# Altium PCB HardwareControllerPCB.PcbDoc (part 2 of 2)
Units mm, origin at the board's own origin, x right, y up, seen from the top; angles counter-clockwise.
Board outline 123.75 x 111.85 mm, 4 copper layers (Top Layer, Layer 1, Layer 2, Bottom Layer), stack 1.491 mm thick; 128 components, 110 nets, 624 pads, 241 vias.
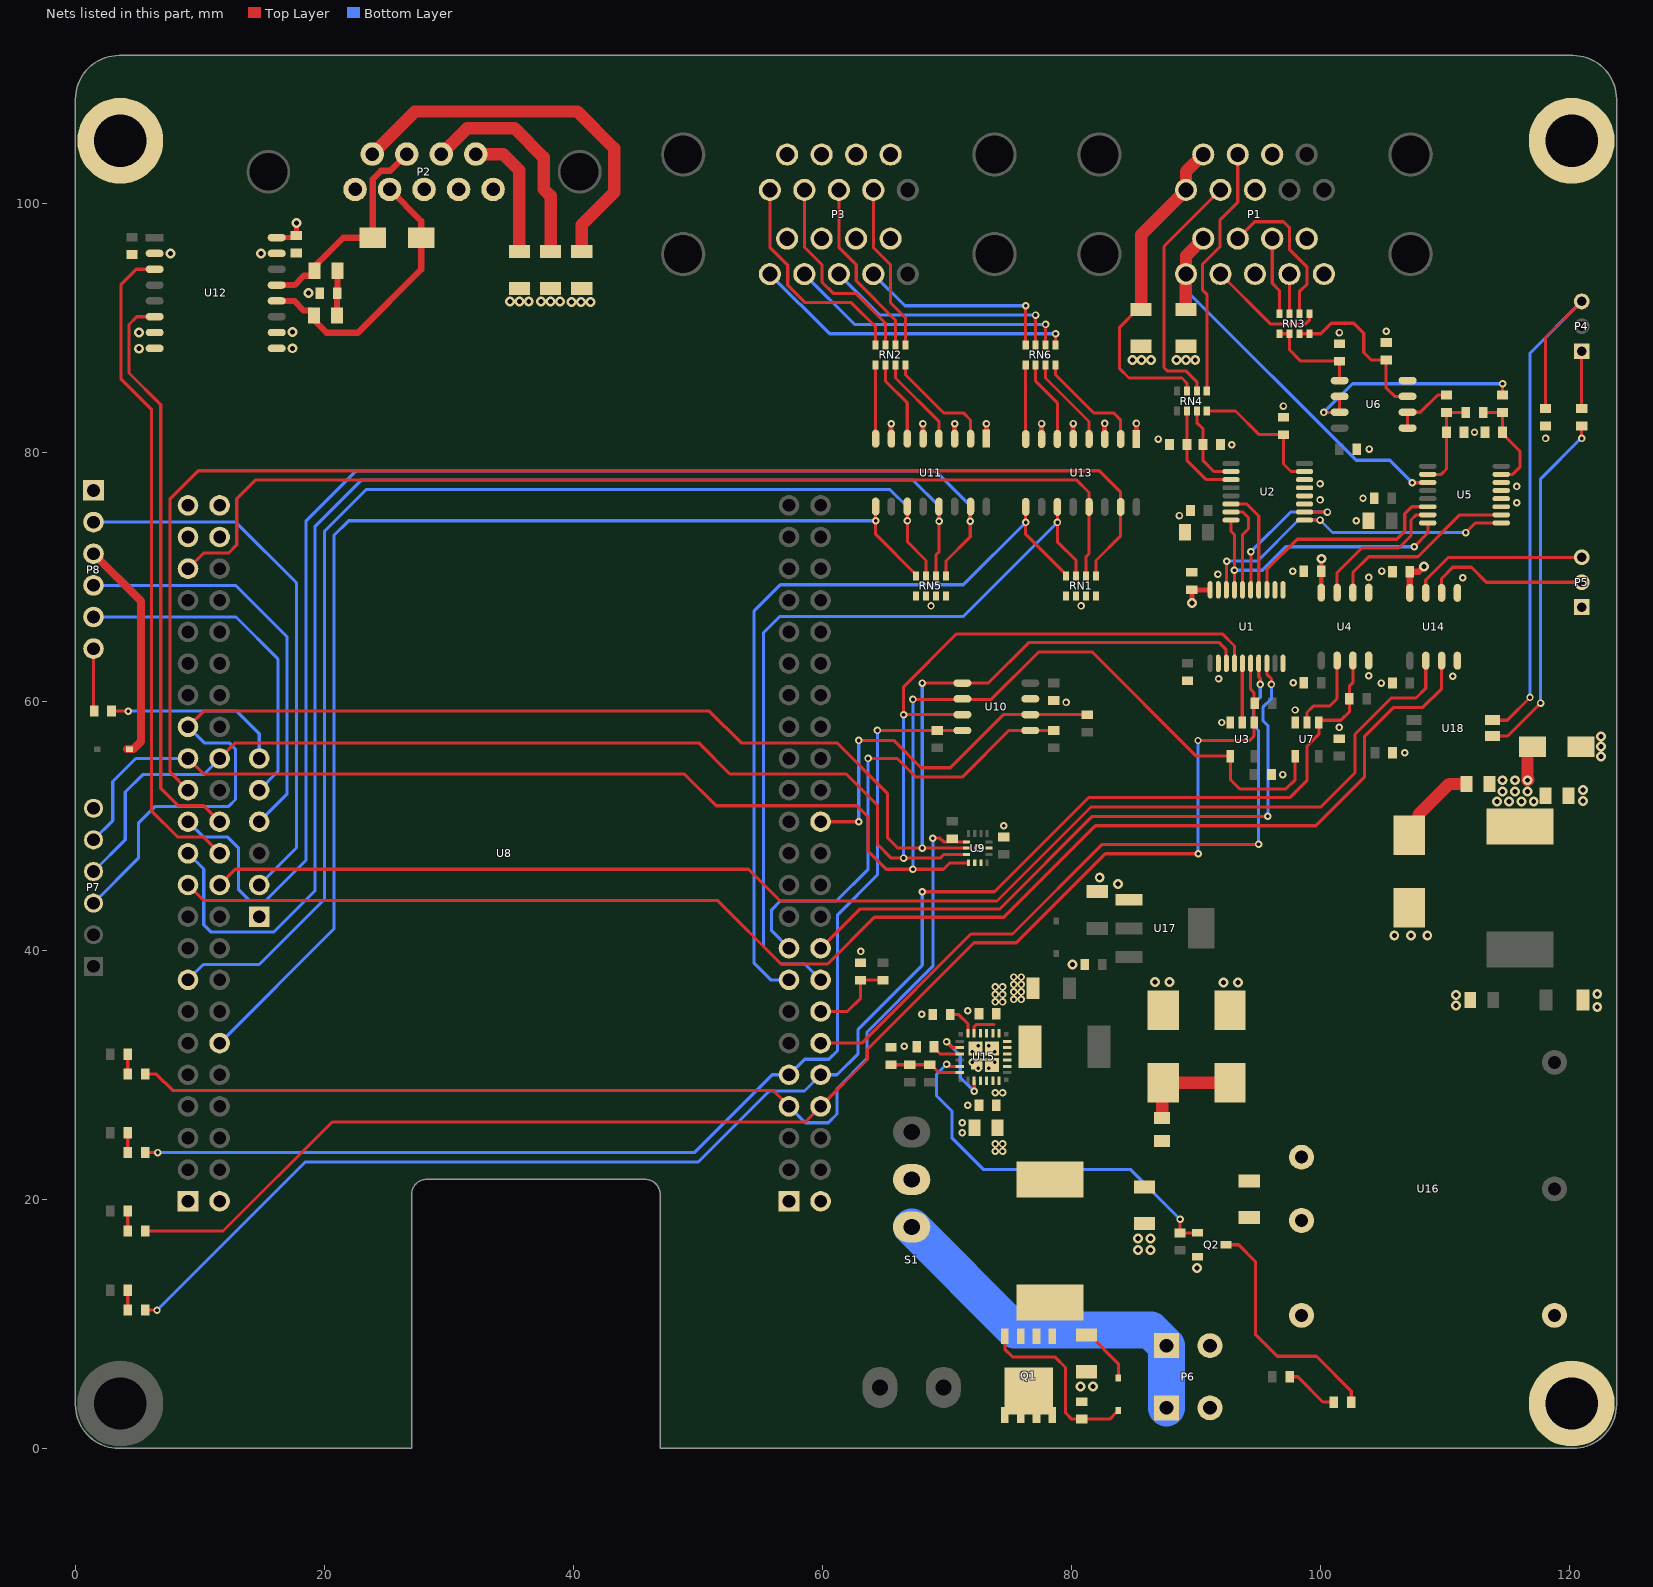
[diagram p4: the nets of this part, all layers, seen from the top]

## Via types
v1: diameter 0.6, hole 0.3, Top Layer to Bottom Layer, tented both sides, 133 vias
v2: diameter 0.8, hole 0.4, Top Layer to Bottom Layer, tented both sides, 100 vias
v3: diameter 0.61, hole 0.305, Top Layer to Bottom Layer, 8 vias

## Nets (pads, with @x,y where several pads share a name; then routed paths per layer and width w, separated by ;. In a path a pad name is that pad's centre, name@x,y a point inside that pad or via, vN(x,y) a via of type N, cw(c..) or ccw(c..) an arc to the next point about the centre after c; other vN are vias at no path point) (continued)
+5VO: C2.1 C9.2 C23.1 C25.2 C38.1 D5.2 F1.2 F2.2 F3.2 F4.2 F5.2 L3.2 R42.1 U1.20 U4.8 U11.1 U11.3 U11.5 U11.7 U12.16 U13.1 U13.3 U13.5 U13.7 U14.8 | length 23.8
  Top Layer w0.35: C2.1@89.639,68.942 C2.1@89.644,68.937
  Top Layer w0.4: U12.16@16.162,97.223 17.472,97.223 17.637,97.388 C23.1@17.737,97.388 17.75,97.4 v2(17.75,98.4) ; v1(65.505,82.275) 65.505,81.095 U11.7@65.525,81.075 ; v1(68.055,82.275) 68.055,81.085 U11.5@68.065,81.075 ; U11.3@70.605,81.075 v1(70.605,82.275) ; U11.1@73.145,81.075 73.15,81.08 73.15,82.27 v1(73.155,82.275) ; U13.7@77.58,81.05 v1(77.58,82.29) ; U13.5@80.12,81.05 v1(80.12,82.29) ; v1(82.65,82.3) 82.65,81.06 U13.3@82.66,81.05 ; U13.1@85.2,81.05 v1(85.2,82.3) ; v2@89.567,67.9 v2(89.658,67.9) 89.658,68.923 89.644,68.937 U1.20@91.117,68.937 ; U4.8@100.037,68.711 100.037,71.431 v2(100.042,71.436)
  Top Layer w0.5: C25.2@107.15,70.45 C25.2@107.15,70.4 ; U14.8@107.16,68.7 107.15,68.71 C25.2@107.15,70.4 ; v2(108.275,70.8) 107.875,70.4 C25.2@107.15,70.4
  Top Layer w1: v2@116.65,53.7 v2(116.6,53.65) 116.6,56.025 116.925,56.35 D5.2@117,56.35
  other v2: 114.15,51.95 115.1,51.95 116.1,51.95 117.1,51.95 114.6,52.75 115.6,52.75 116.6,52.75 114.6,53.65 115.6,53.65 84.869,87.4 85.619,87.4 86.369,87.4 88.419,87.4 89.169,87.4 89.919,87.4 39.85,92.05 40.6,92.05 41.35,92.05 34.9,92.075 35.65,92.075 36.4,92.075 37.4,92.075 38.15,92.075 38.9,92.075
+12: C28.1 C29.1 C30.1 C31.1 C39.1 L1.2 R35.1 U15.5 U15.6 U15.13 U15.14 U15.17 U16.1 | length 2.2
  Top Layer w0.25: U15.17@72.167,33.328 72.167,33.867 72.35,34.05 73.75,34.05
  Top Layer w1.5: U16.1@98.425,23.405 U16.1@98.45,23.38
  other v1: 73.85,23.85 74.45,23.85 73.85,24.45 74.45,24.45 73.85,28.55 74.45,28.55 73.85,35.85 74.45,35.85 73.85,36.45 74.45,36.45 73.85,37.05 74.45,37.05
ADC_1_C\S\: R3.1 R50.2 U1.6 U3.1 U8.8 | length 117.3
  Top Layer w0.25: R50.2@5.6,17.45 11.85,17.45 20.6,26.2 58.58,26.2 U8.8@59.84,27.46 63.6,31.22 63.6,32.05 72.15,40.6 75.55,40.6 82.7,47.75 v1(90.15,47.75) ; v1(90.139,56.842) 94.289,56.842 94.642,57.195 U3.1@94.642,58.287 94.642,60.688 94.367,60.964 U1.6@94.367,63.037
  Bottom Layer w0.25: v1(90.139,56.842) 90.15,56.831 v1(90.15,47.75)
ADC_1_C\S\_5V: U1.15 U2.2 | length 12.4
  Top Layer w0.25: U1.15@94.367,68.937 94.389,68.958 v1(94.389,71.992) ; U2.2@98.692,75.187 v1(100.534,75.187)
  Bottom Layer w0.25: v1(94.389,71.992) 97.584,75.187 v1(100.534,75.187)
ADC_1_D\R\D\Y\: U1.7 U8.12 | length 56.8
  Top Layer w0.25: U8.12@59.84,32.54 63.14,32.54 71.9,41.3 75.25,41.3 82.45,48.5 v1(95,48.5) ; U1.7@95.039,63.015 U1.7@95.017,63.037 95.017,61.964 95.139,61.842 v1(95.139,61.342)
  Bottom Layer w0.25: v1(95,48.5) 95,57.65 94.6,58.05 94.6,59.75 95.139,60.289 v1(95.139,61.342)
ADC_1_D\R\D\Y\_5V: U1.14 U2.14 | length 8.6
  Top Layer w0.25: U2.14@92.792,75.837 94.044,75.837 95.017,74.864 U1.14@95.017,68.937
ADC_2_C\S\: R5.1 R51.2 U4.3 U7.1 U8.10 | length 127.6
  Top Layer w0.25: R51.2@5.6,11.1 v1(6.55,11.1) ; v1(68,44.7) 73.8,44.7 81.35,52.25 97.5,52.25 98.9,53.65 98.9,56.402 99.843,57.345 U7.1@99.843,58.287 100.021,58.464 101.614,58.464 102.3,59.15 102.3,59.861 R5.1@102.067,59.861 ; R5.1@102.293,60.086 R5.1@102.293,60.186 102.293,61.195 102.577,61.48 U4.3@102.577,63.261
  Bottom Layer w0.25: v1(6.55,11.1) 18.45,23 50,23 55.7,28.7 58.54,28.7 U8.10@59.84,30 61.15,30 62.85,31.7 62.85,33.65 68,38.8 v1(68,44.7)
ADC_2_C\S\_5V: U4.6 U5.2 | length 15.5
  Top Layer w0.25: U4.6@102.577,68.711 102.577,70.327 103.85,71.6 107.8,71.6 111.161,74.961 U5.2@114.492,74.961
ADC_2_D\R\D\Y\: U1.8 U8.18 | length 53.2
  Top Layer w0.25: U8.18@59.84,40.16 62.98,43.3 74.2,43.3 81.65,50.75 v1(95.75,50.75) ; U1.8@95.668,63.036 95.668,62.163 96.039,61.792 v1(96.039,61.342)
  Bottom Layer w0.25: v1(95.75,50.75) 95.75,58.05 95.35,58.45 95.35,59.5 96.039,60.189 v1(96.039,61.342)
ADC_2_D\R\D\Y\_5V: U1.13 U5.14 | length 17.5
  Top Layer w0.25: U1.13@95.667,68.937 95.667,70.57 98.098,73 106.1,73 106.739,73.639 106.739,75.042 107.309,75.611 U5.14@108.592,75.611
AGND: C2.2 C3.2 C4.1 C5.2 C6.2 C8.2 C9.1 C11.2 C12.1 C13.1 C14.1 C17.2 C18.2 C19.2 C23.2 C24.1 C25.1 C37.2 C38.2 C40.2 C43.2 D5.1 H2.0 H3.0 H4.0 P1.3 P1.8 P1.12 P1.14 P1.18 P2.1 P2.3 P2.4 P2.5 P3.6 P3.7 P3.8 P3.9 P3.15 P3.16 P3.17 P3.18 P5.1 R34.1 U1.11 U1.12 U1.19 U2.3 U2.4 U2.5 U2.6 U4.5 U5.3 U5.4 U5.5 U5.6 U6.4 U12.9 U12.10 U12.15 U14.5 U16.6
  other v1: 111.4,69.9 103.842,69.936 91.739,70.192 97.742,70.437 104.9,70.45 102.842,74.487 88.65,74.9 115.739,75.942 99.942,76.161 103.389,76.292 115.739,77.242 99.942,77.461 103.889,80.242 92.85,80.6 86.95,81.05 118.05,81.1 112.343,81.586 97,83.7 101.5,89.6 105.25,89.7
  other v2: 122.2,35.45 110.85,35.55 110.85,36.4 122.2,36.5 105.9,41.2 107.25,41.2 108.55,41.2 121.05,52 121.05,52.85 122.5,55.55 122.5,56.35 122.5,57.15 17.437,88.338 17.437,89.638 18.712,92.763 14.887,95.938
CAN_RX: U8.70 U12.3 | length 53.4
  Top Layer w0.25: U12.3@6.362,94.683 4.883,94.683 3.65,93.45 3.65,85.9 6.1,83.45 6.1,51.2 8.2,49.1 10.26,49.1 U8.70@11.58,47.78
CAN_TX: U8.72 U12.6 | length 46.5
  Top Layer w0.25: U12.6@6.362,90.873 4.923,90.873 4.3,90.25 4.3,86.35 6.85,83.8 6.85,53 8.25,51.6 10.3,51.6 U8.72@11.58,50.32
CANH: D1.2 P2.7 R19.1 U12.13 | length 17.8
  Top Layer w0.4: R19.1@19.187,94.563 R19.1@19.187,94.888
  Top Layer w0.5: U12.13@16.162,93.413 17.593,93.413 18.343,94.163 18.962,94.163 19.187,94.388 R19.1@19.187,94.563 ; R19.1@19.187,94.888 21.506,97.207 D1.2@23.867,97.207 23.867,101.907 24.547,102.587 25.262,102.587 P2.7@26.607,103.932
CANL: D1.1 P2.2 R22.2 U12.12 | length 22.8
  Top Layer w0.4: D1.1@27.767,97.207 D1.1@28.048,97.207
  Top Layer w0.5: U12.12@16.162,92.143 17.561,92.143 18.341,91.363 18.937,91.363 19.162,91.138 R22.2@19.162,90.963 19.162,90.588 20.162,89.588 22.688,89.588 27.767,94.667 D1.1@27.767,97.207 27.767,98.548 P2.2@25.222,101.092
CRITICAL_TEMP: R16.2 U8.26 U10.6 | length 30.6
  Top Layer w0.25: U8.26@59.84,50.32 v1(62.9,50.32) ; v1(62.9,56.85) 65.7,56.85 67.9,54.65 70.25,54.65 74.515,58.915 U10.6@76.675,58.915 81.235,58.915 R16.2@81.25,58.9
  Bottom Layer w0.25: v1(62.9,50.32) v1(62.9,56.85)
DGND: C1.1 C7.1 C10.1 C15.1 C20.1 C21.1 C22.1 C26.1 C27.2 C28.2 C29.2 C30.2 C31.2 C32.2 C33.2 C34.2 C36.2 C39.2 C41.2 C42.2 P6.2 P7.6 P8.1 Q2.2 R13.2 R36.2 R38.2 R39.2 R46.2 RN1.5 RN1.6 RN1.7 RN1.8 RN5.5 RN5.6 RN5.7 RN5.8 U1.2 U1.10 U3.3 U4.4 U7.3 U8.1 U8.2 U8.47 U8.48 U8.89 U8.90 U8.91 U8.92 U8.J1_1 U9.2 U9.3 U9.6 U10.7 U12.2 U12.7 U12.8 U14.4 U15.3 U15.4 U15.15 U15.16 U15.25 U15.26 U15.27 U15.28 U16.2 U16.3 U17.1
  other v1: 71.2,25.35 71.2,26.15 71.65,27.55 66.55,32.3 67.95,34.85 71.65,35.15 75.35,36.05 75.95,36.05 75.35,36.65 75.95,36.65 75.35,37.25 75.95,37.25 75.35,37.85 75.95,37.85 63.05,39.9 72.45,48.2 74.55,50 96.937,54.108 106.75,55.85 101.486,57.889 92.042,58.287 97.936,59.289 79.55,59.9 104.85,61.45 97.793,61.486 91.789,61.792 110.6,62 103.842,62.037 68.7,67.65 80.75,67.65
  other v2: 80.7,4.95 81.7,4.95 90.05,14.5 85.322,15.918 86.322,15.918 85.322,16.868 86.322,16.868 92.2,37.4 93.35,37.4 86.7,37.45 87.85,37.45 80.05,38.85 83.7,45.3 82.25,45.85 5.1,88.3 5.1,89.6 7.65,95.95
  other v3: 72.492,30.528 73.342,30.528 72.017,31.003 73.817,31.003 72.017,31.853 73.817,31.853 72.492,32.328 73.342,32.328
EXT_5V_OK: R12.1 R13.1 U8.14 | length 6.9
  Top Layer w0.25: U8.14@59.84,35.08 61.98,35.08 63.05,36.15 R13.1@63.05,37.6 R12.1@64.85,37.6
IMU_C\S\: R14.2 R48.2 U8.7 U9.12 | length 85.6
  Top Layer w0.25: R48.2@5.6,30.05 6.5,30.05 7.8,28.75 56.01,28.75 U8.7@57.3,27.46 ; v1(68.85,49) 69.411,49 69.711,48.7 U9.12@71.561,48.7
  Bottom Layer w0.25: U8.7@57.3,27.46 58.61,26.15 60.45,26.15 61.15,26.85 61.15,28.9 63.55,31.3 63.55,33.4 68.85,38.7 v1(68.85,49)
LD_VREFP: F2.1 P1.10 P1.15 U5.11 | length 33.4
  Top Layer w0.25: v1(107.339,77.542) 108.573,77.542 U5.11@108.592,77.561
  Top Layer w1: F2.1@89.169,91.45 89.169,94.289 P1.10@89.179,94.299 89.179,95.759 P1.15@90.563,97.144
  Bottom Layer w0.25: P1.10@89.179,94.299 89.179,93.002 102.839,79.342 105.539,79.342 v1(107.339,77.542)
LIMIT_LED_1: P3.1 RN2.4 | length 18.1
  Top Layer w0.25: P3.1@55.763,101.05 55.763,96.437 57.2,95 57.2,93.4 58.6,92 62.3,92 64.25,90.05 RN2.4@64.25,88.6
LIMIT_LED_2: P3.2 RN2.3 | length 16.2
  Top Layer w0.25: P3.2@58.531,101.05 58.531,96.469 59.95,95.05 59.95,93.65 60.85,92.75 62.65,92.75 65.05,90.35 RN2.3@65.05,88.6
LIMIT_LED_3: P3.3 RN2.2 | length 14.3
  Top Layer w0.25: P3.3@61.3,101.05 61.3,96.45 62.7,95.05 62.7,93.75 65.85,90.6 RN2.2@65.85,88.6
LIMIT_LED_4: P3.4 RN2.1 | length 13.5
  Top Layer w0.25: P3.4@64.069,101.05 64.069,96.431 65.45,95.05 65.45,92 66.65,90.8 RN2.1@66.65,88.6
LIMIT_LED_5: P3.10 RN6.1 | length 25.8
  Top Layer w0.25: RN6.1@78.7,88.6 v1(78.7,89.5)
  Bottom Layer w0.25: P3.10@55.763,94.294 60.556,89.5 v1(78.7,89.5)
LIMIT_LED_6: P3.11 RN6.2 | length 22.7
  Top Layer w0.25: RN6.2@77.9,88.6 v1(77.9,90.25)
  Bottom Layer w0.25: P3.11@58.531,94.294 62.575,90.25 v1(77.9,90.25)
LIMIT_SIG_1: RN5.4 U8.58 U11.9 | length 95.5
  Top Layer w0.25: U11.9@64.258,75.628 U11.9@64.255,75.625 v1(64.255,74.483) 64.255,73.395 67.5,70.15 RN5.4@67.5,70.05
  Bottom Layer w0.25: U8.58@11.58,32.54 20.75,41.71 20.75,73.3 21.933,74.483 v1(64.255,74.483) v1@64.258,74.48
LIMIT_SIG_2: RN5.3 U8.61 U11.11 | length 99.3
  Top Layer w0.25: U11.11@66.798,75.628 66.808,75.618 v1(66.808,74.478) 66.808,72.792 68.3,71.3 RN5.3@68.3,70.05
  Bottom Layer w0.25: U8.61@9.04,37.62 10.27,38.85 14.75,38.85 20,44.1 20,73.65 23.35,77 65.4,77 66.808,75.592 v1(66.808,74.478)
LIMIT_SIG_3: RN5.2 U8.69 U11.13 | length 105.5
  Top Layer w0.25: RN5.2@69.1,70.05 69.1,71.75 69.35,72 v1(69.35,74.45) 69.35,75.61 U11.13@69.335,75.625
  Bottom Layer w0.25: U8.69@9.04,47.78 10.3,46.52 10.3,42.05 10.9,41.45 15.9,41.45 19.25,44.8 19.25,74.05 22.95,77.75 67.25,77.75 69.35,75.65 v1(69.35,74.45)
LIMIT_SIG_4: RN5.1 U8.71 U11.15 | length 106.4
  Top Layer w0.25: RN5.1@69.9,70.05 69.9,71.25 71.85,73.2 v1(71.85,74.45) 71.85,75.6 U11.15@71.875,75.625
  Bottom Layer w0.25: U8.71@9.04,50.32 10.26,49.1 12.2,49.1 13.1,48.2 13.1,44.85 13.95,44 15.3,44 18.5,47.2 18.5,74.45 22.55,78.5 69.05,78.5 71.85,75.7 v1(71.85,74.45)
LIMIT_SIG_5: RN1.1 U8.73 U13.15 | length 109.5
  Top Layer w0.25: U8.73@9.04,52.86 7.6,54.3 7.6,76.25 9.85,78.5 82.2,78.5 83.93,76.77 U13.15@83.93,75.6 ; RN1.1@81.95,70.05 81.95,71.3 83.93,73.28 U13.15@83.93,75.6 ; U13.15@83.91,75.62 U13.15@83.93,75.6
LIMIT_SIG_6: RN1.2 U8.87 U13.13 | length 84.7
  Top Layer w0.25: U8.87@9.04,70.64 10.3,71.9 12.3,71.9 12.95,72.55 12.95,76.25 14.45,77.75 80.4,77.75 81.39,76.76 U13.13@81.39,75.6 ; RN1.2@81.15,70.05 81.15,71.6 81.39,71.84 U13.13@81.39,75.6 ; U13.13@81.37,75.62 U13.13@81.38,75.61 ; U13.13@81.38,75.59 U13.13@81.39,75.6
NetC6_1: C6.1 RN4.7 U2.10 | length 6.8
  Top Layer w0.25: RN4.7@90.05,83.3 90.05,82.35 90.55,81.85 C6.1@90.55,80.6 90.55,79.3 91.413,78.437 U2.10@92.792,78.437
NetC8_1: C8.1 RN4.8 U2.7 | length 11.2
  Top Layer w0.25: RN4.8@90.85,83.3 93.15,83.3 95.05,81.4 C8.1@97,81.4 97,79.05 97.614,78.437 U2.7@98.692,78.437
NetC14_2: C14.2 C16.1 R7.1 U5.10 | length 7.8
  Top Layer w0.25: U5.10@108.592,78.211 109.659,78.211 110.093,78.645 C14.2@110.093,81.586 R7.1@110.093,83.186 C16.1@111.642,83.186
NetC16_2: C16.2 C18.1 R9.1 U5.7 | length 8.3
  Top Layer w0.25: C16.2@113.042,83.186 R9.1@114.592,83.186 C18.1@114.592,81.586 114.592,81.486 115.989,80.09 115.989,78.792 115.409,78.211 U5.7@114.492,78.211
NetC17_1: C17.1 RN3.7 RN3.8 U6.3 | length 13.7
  Top Layer w0.25: RN3.7@98.284,89.5 RN3.8@99.084,89.5 100,89.5 100.85,90.35 102.65,90.35 103.45,89.55 103.45,88 104.05,87.4 C17.1@105.25,87.4 105.25,85.15 105.929,84.471 U6.3@106.968,84.471
NetC19_1: C19.1 RN3.5 RN3.6 U6.5 | length 8
  Top Layer w0.25: RN3.5@96.684,89.5 RN3.6@97.484,89.5 97.484,88.216 98.4,87.3 C19.1@101.5,87.3 101.5,85.759 U6.5@101.518,85.741
NetC24_2: C24.2 R19.2 R22.1 | length 3.6
  Top Layer w0.5: R22.1@21.012,90.963 C24.2@21.012,92.763 21.037,92.788 R19.2@21.037,94.563
NetC27_1: C27.1 D2.1 L1.1 Q1.1 Q1.2 Q1.3 | length 4.7
  Top Layer w0.25: C27.1@81.2,9.1 81.45,9.1 83.75,6.8 D2.1@83.75,5.65
NetC33_1: C33.1 C34.1 R35.2 | length 8.2
  Top Layer w1: R35.2@87.275,26.55 87.275,29.275 C33.1@87.35,29.35 C34.1@92.7,29.35
NetC35_2: C35.2 R37.2 R39.1 U15.24 | length 5.8
  Top Layer w0.254: R39.1@65.5,30.8 C35.2@67,30.8 R37.2@68.6,30.8 68.7,30.8 69.322,30.178 U15.24@71.017,30.178
NetC36_1: C36.1 U15.21 | length 2.4
  Top Layer w0.25: C36.1@68.95,32.25 68.95,32.15 69.422,31.678 U15.21@71.017,31.678
NetC43_1: C43.1 R42.2 | length 6.8
  Top Layer w1: C43.1@107.1,49.25 107.85,50 107.85,50.9 110.3,53.35 R42.2@111.7,53.35
NetD2_2: D2.2 Q1.4 R36.1 | length 14.9
  Top Layer w0.25: Q1.4@74.63,9 74.63,7.97 75.25,7.35 78.65,7.35 79.5,6.5 79.5,2.85 80,2.35 R36.1@80.8,2.35 83.05,2.35 83.6,2.9 83.65,2.9 83.75,3 D2.2@83.75,3.05
NetD3_1: D3.1 Q2.3 | length 19.2
  Top Layer w0.25: Q2.3@92.4,16.35 93.4,16.35 94.75,15 94.75,9.15 96.5,7.4 99.65,7.4 102.45,4.6 D3.1@102.45,3.7
NetD3_2: D3.2 R40.1 | length 4.4
  Top Layer w0.25: R40.1@97.5,5.75 98.15,5.75 100.171,3.729 101.021,3.729 D3.2@101.05,3.7
NetD6_1: D6.1 R48.1 | length 1.6
  Top Layer w0.25: R48.1@4.2,30.05 D6.1@4.2,31.65
NetD7_1: D7.1 R49.1 | length 1.6
  Top Layer w0.25: R49.1@4.2,23.75 D7.1@4.2,25.35
NetD8_1: D8.1 R50.1 | length 1.6
  Top Layer w0.25: R50.1@4.2,17.45 D8.1@4.2,19.05
NetD9_1: D9.1 R51.1 | length 1.6
  Top Layer w0.25: R51.1@4.2,11.1 D9.1@4.2,12.7
NetD10_1: D10.1 P8.3 | length 18
  Top Layer w0.65: P8.3@1.45,71.84 5.25,68.04 5.25,56.75 4.65,56.15 D10.1@4.35,56.15 D10.1@4.15,56.15
NetF1_1: F1.1 P1.1 P1.6 RN4.3 | length 26.5
  Top Layer w0.25: F1.1@85.266,91.708 85.266,91.45 83.85,90.034 83.85,86.7 84.6,85.95 88.85,85.95 89.25,85.55 RN4.3@89.25,84.9
  Top Layer w1: F1.1@85.569,91.569 85.569,97.446 P1.1@89.179,101.055 89.179,102.516 P1.6@90.563,103.9
NetF3_1: F3.1 P2.9 | length 10.6
  Top Layer w1: P2.9@32.147,103.932 34.342,103.932 35.654,102.619 F3.1@35.654,96.1
NetF4_1: F4.1 P2.8 | length 17.9
  Top Layer w1: P2.8@29.378,103.932 31.465,106.019 35.254,106.019 37.6,103.673 37.6,101.123 38.15,100.573 F4.1@38.15,96.1
NetF5_1: F5.1 P2.6 | length 31.4
  Top Layer w1: P2.6@23.837,103.932 27.256,107.35 40.3,107.35 43.25,104.4 43.25,100.85 40.65,98.25 F5.1@40.65,96.1
NetL2_1: L2.1 U15.8 U15.9 U15.10 U15.11 U15.12
NetP1_11: P1.11 RN3.1 | length 9.4
  Top Layer w0.25: P1.11@91.947,94.299 95.946,90.3 98.8,90.3 99.084,90.584 RN3.1@99.084,91.1
NetP1_13: P1.13 RN3.3 | length 3.2
  Top Layer w0.25: RN3.3@97.484,91.1 P1.13@97.484,94.299
NetP1_16: P1.16 RN3.2 | length 12.7
  Top Layer w0.25: P1.16@93.331,97.144 94.688,98.5 97,98.5 97.5,98 97.5,96.25 98.9,94.85 98.9,93.5 98.284,92.884 RN3.2@98.284,91.1
NetP1_17: P1.17 RN3.4 | length 6.3
  Top Layer w0.25: P1.17@96.1,97.144 96.1,93.55 96.684,92.966 RN3.4@96.684,91.1
NetP6_1: P6.1 S1.1 | length 29.4
  Bottom Layer w3: S1.1@67.15,17.78 75.43,9.5 86.358,9.5 P6.1@87.607,8.251 P6.1@87.607,3.251
NetP8_2: P8.2 U8.J1_2 | length 43.8
  Bottom Layer w0.25: P8.2@1.45,74.38 12.87,74.38 17.75,69.5 17.75,48.235 U8.J1_2@14.755,45.24
NetP8_4: P8.4 U8.J1_4 | length 33
  Bottom Layer w0.25: P8.4@1.45,69.3 12.85,69.3 17,65.15 17,52.565 U8.J1_4@14.755,50.32
NetP8_5: P8.5 U8.J1_5 | length 27.4
  Bottom Layer w0.25: P8.5@1.45,66.76 12.89,66.76 16.25,63.4 16.25,54.355 U8.J1_5@14.755,52.86
NetP8_6: P8.6 R47.1 | length 5.1
  Top Layer w0.25: P8.6@1.45,64.22 1.45,59.15 R47.1@1.5,59.2
NetQ1_5: Q1.5 S1.2
NetQ2_1: Q2.1 R41.2 U15.23 | length 31.3
  Top Layer w0.25: v1@70.05,30.85 70.222,30.678 U15.23@71.017,30.678 ; v1(88.7,18.4) R41.2@88.7,17.3 Q2.1@90.1,17.3
  Bottom Layer w0.25: v1(69.95,30.85) 69.15,30.05 69.15,28.3 70.4,27.05 70.4,24.9 72.9,22.4 84.7,22.4 v1(88.7,18.4)
NetR7_2: R7.2 U6.1 U6.2 | length 5
  Top Layer w0.25: U6.1@106.968,81.931 U6.2@106.968,83.201 107.999,83.201 109.384,84.586 R7.2@110.093,84.586
NetR9_2: R9.2 U6.6 U6.7 | length 18.8
  Top Layer w0.25: v1(100.242,83.187) 101.503,83.187 U6.7@101.518,83.201 U6.6@101.518,84.471 ; R9.2@114.592,84.586 v1(114.592,85.486)
  Bottom Layer w0.25: v1(100.242,83.187) 102.542,85.486 v1(114.592,85.486)
NetR30_1: R30.1 U18.1 | length 28.5
  Top Layer w0.25: U18.1@113.8,57.2 115,57.2 v1(117.65,59.85) ; v1(120.95,81.1) R30.1@120.95,82.1
  Bottom Layer w0.25: v1(117.65,59.85) 117.65,77.85 v1@120.9,81.1
NetR38_1: R38.1 U15.18 | length 2.5
  Top Layer w0.254: R38.1@70.25,34.85 70.9,34.85 71.667,34.083 U15.18@71.667,33.328
NetR47_2: R47.2 U8.J1_6 | length 14.6
  Top Layer w0.25: R47.2@2.9,59.2 v1(4.25,59.2)
  Bottom Layer w0.25: v1(4.25,59.2) 12.95,59.2 14.755,57.395 U8.J1_6@14.755,55.4
NetRN2_5: RN2.5 U11.8 | length 5.9
  Top Layer w0.25: RN2.5@64.25,87 64.25,81.08 U11.8@64.255,81.075
NetRN2_6: RN2.6 U11.6 | length 6.6
  Top Layer w0.25: RN2.6@65.05,87 65.05,85.7 66.795,83.955 U11.6@66.795,81.075
NetRN2_7: RN2.7 U11.4 | length 7.4
  Top Layer w0.25: RN2.7@65.85,87 65.85,85.95 69.335,82.465 U11.4@69.335,81.075
NetRN2_8: RN2.8 U11.2 | length 9
  Top Layer w0.25: RN2.8@66.65,87 66.65,86.2 69.7,83.15 71.3,83.15 71.875,82.575 U11.2@71.875,81.075
NetRN6_5: RN6.5 U13.8 | length 6
  Top Layer w0.25: RN6.5@76.3,87 76.3,81.06 U13.8@76.31,81.05
NetRN6_6: RN6.6 U13.6 | length 6.7
  Top Layer w0.25: RN6.6@77.1,87 77.1,85.7 78.85,83.95 U13.6@78.85,81.05
NetRN6_7: RN6.7 U13.4 | length 7.4
  Top Layer w0.25: RN6.7@77.9,87 77.9,85.95 81.39,82.46 U13.4@81.39,81.05
NetRN6_8: RN6.8 U13.2 | length 9.1
  Top Layer w0.25: RN6.8@78.7,87 78.7,86.2 81.75,83.15 83.35,83.15 83.93,82.57 U13.2@83.93,81.05 U13.2@83.863,81.117
NetU1_5: U1.5 U3.2 | length 4.8
  Top Layer w0.25: U3.2@93.692,58.287 93.692,63.012 U1.5@93.717,63.037
NetU1_16: U1.16 U2.15 | length 7.6
  Top Layer w0.25: U2.15@92.792,75.187 93.744,75.187 94.2,74.731 94.2,73.852 93.717,73.37 U1.16@93.717,68.937
NetU4_2: U4.2 U7.2 | length 6.8
  Top Layer w0.25: U7.2@98.893,58.287 98.893,59.093 99.4,59.6 100.7,59.6 101.307,60.207 U4.2@101.307,63.261 U4.2@101.292,63.247
NetU4_7: U4.7 U5.15 | length 11.5
  Top Layer w0.25: U4.7@101.307,68.711 101.307,70.307 103.3,72.3 106.25,72.3 107.239,73.289 107.239,74.542 107.659,74.961 U5.15@108.592,74.961
NetU15_2: U15.2 U15.20 | length 7
  Top Layer w0.254: v1(69.95,32.65) 70.422,32.178 U15.20@71.017,32.178 ; v1(72.167,28.667) U15.2@72.167,29.528
  Bottom Layer w0.254: v1(69.95,32.65) 71.05,31.55 71.05,29.784 v1(72.167,28.667)
OVER_TEMP: R17.2 U8.17 U10.5 | length 38.7
  Top Layer w0.25: v1(63.65,55.4) 66,55.4 67.5,53.9 71.2,53.9 74.945,57.645 U10.5@76.675,57.645 78.545,57.645 R17.2@78.55,57.65
  Bottom Layer w0.25: U8.17@57.3,40.16 55.9,41.56 55.9,43.25 56.6,43.95 61.1,43.95 63.65,46.5 v1(63.65,55.4)
POT1: P1.2 RN4.2 | length 20
  Top Layer w0.25: RN4.2@90.05,84.9 90.05,85.65 89.2,86.5 87.7,86.5 87.416,86.784 87.416,96.524 P1.2@91.947,101.055
POT2: P1.7 RN4.1 | length 20.3
  Top Layer w0.25: RN4.1@90.85,84.9 90.874,84.924 90.874,92.626 90.516,92.984 90.516,95.105 91.916,96.505 91.916,98.655 93.331,100.071 P1.7@93.331,103.9
POT_VREF: C5.1 RN4.6 U2.11 | length 8.1
  Top Layer w0.25: RN4.6@89.25,83.3 C5.1@89.25,80.6 89.25,79.35 90.813,77.787 U2.11@92.792,77.787
SPARE_1: RN1.3 U8.16 U13.11 | length 64.3
  Top Layer w0.25: U13.11@78.85,75.6 v1(78.85,74.35) 78.85,72.8 80.35,71.3 RN1.3@80.35,70.05
  Bottom Layer w0.25: U8.16@59.84,37.62 58.56,38.9 56.65,38.9 55.25,40.3 55.25,65.5 56.55,66.8 71.3,66.8 v1(78.85,74.35)
SPARE_2: RN1.4 U8.15 U13.9 | length 63.3
  Top Layer w0.25: U13.9@76.31,75.6 76.28,75.57 76.3,75.55 v1(76.3,74.35) 76.3,73.4 79.55,70.15 RN1.4@79.55,70.05
  Bottom Layer w0.25: U8.15@57.3,37.62 55.83,37.62 54.5,38.95 54.5,67.25 56.6,69.35 71.3,69.35 v1(76.3,74.35)
SPARE_LED_1: P3.12 RN6.3 | length 19.6
  Top Layer w0.25: RN6.3@77.1,88.6 v1(77.1,91)
  Bottom Layer w0.25: P3.12@61.3,94.294 64.594,91 v1(77.1,91)
SPARE_LED_2: P3.13 RN6.4 | length 16.4
  Top Layer w0.25: RN6.4@76.3,88.6 v1(76.3,91.75)
  Bottom Layer w0.25: P3.13@64.069,94.294 66.612,91.75 v1(76.3,91.75)
SPI_CLK_3V3: P7.3 U1.3 U8.77 U9.13 U10.1 | length 135.1
  Top Layer w0.25: U8.77@9.04,57.94 10.3,59.2 50.9,59.2 53.45,56.65 61.15,56.65 65.2,52.6 65.2,49.05 66.05,48.2 v1(68,48.2) 71.338,48.2 U9.13@71.561,48.2 ; v1(68,61.45) 69.95,61.45 69.955,61.455 U10.1@71.225,61.455 73.305,61.455 76.55,64.7 91.85,64.7 92.379,64.171 92.379,63.075 U1.3@92.417,63.037
  Bottom Layer w0.25: P7.3@1.45,43.78 5.05,47.38 5.05,50.2 6.4,51.55 12.3,51.55 12.85,52.1 12.85,56.15 12.35,56.65 10.33,56.65 U8.77@9.04,57.94 ; v1(68,48.2) v1(68,61.45)
SPI_CLK_5V: U1.18 U2.1 U5.1 | length 27.7
  Top Layer w0.25: U1.18@92.417,68.937 92.439,68.958 v1(92.439,71.242) ; U2.1@98.692,74.537 99.934,74.537 v1(99.939,74.542) ; v1(111.639,73.542) 112.409,74.311 U5.1@114.492,74.311
  Bottom Layer w0.25: v1(92.439,71.242) 94.914,71.242 98.214,74.542 v1(99.939,74.542) 100.939,73.542 v1(111.639,73.542)
SPI_MISO_3V3: P7.5 U3.4 U7.4 U8.75 U9.1 U10.2 | length 134.2
  Top Layer w0.25: U8.75@9.04,55.4 10.29,54.15 48.9,54.15 51.45,51.6 62.75,51.6 63.65,50.7 63.65,47.95 65.1,46.5 v1(67.25,46.5) 69.7,46.5 70.22,47.02 U9.1@71.711,47.02 ; v1(67.25,60.142) U10.2@71.182,60.142 ; U10.2@71.225,60.185 U10.2@71.182,60.142 ; U7.4@97.943,55.587 97.943,53.693 97.2,52.95 93.5,52.95 92.742,53.707 U3.4@92.742,55.587 90.013,55.587 81.65,63.95 77.35,63.95 73.542,60.142 U10.2@71.182,60.142
  Bottom Layer w0.25: P7.5@1.45,48.86 3,50.41 3,53.55 4.85,55.4 U8.75@9.04,55.4 ; v1(67.25,46.5) v1(67.25,60.142) v1@67.25,60.15
SPI_MOSI_3V3: P7.4 U1.4 U8.76 U9.14 U10.3 | length 131
  Top Layer w0.25: U8.76@11.58,55.4 12.83,56.65 50.05,56.65 52.55,54.15 61.9,54.15 64.4,51.65 64.4,48.5 65.5,47.4 v1(66.5,47.4) 69.45,47.4 69.75,47.7 U9.14@71.561,47.7 ; U10.3@71.225,58.915 66.515,58.915 v1(66.5,58.9) 66.5,61.15 70.75,65.4 92.1,65.4 93.067,64.433 U1.4@93.067,63.037
  Bottom Layer w0.25: P7.4@1.45,46.32 4,48.87 4,52.7 5.4,54.1 10.28,54.1 U8.76@11.58,55.4 ; v1(66.5,47.4) v1(66.5,58.9)
SPI_MOSI_5V: U1.17 U2.16 U5.16 | length 23.5
  Top Layer w0.25: U2.16@92.792,74.537 92.792,73.639 93.067,73.364 v1(93.069,70.512) ; U1.17@93.067,68.937 v1(93.069,70.512) ; v1(93.069,70.512) v1(93.069,70.512) ; v1(107.5,72.4) 108.6,73.5 U5.16@108.6,74.219 ; U5.16@108.589,74.208 U5.16@108.592,74.211 ; U5.16@108.6,74.3 U5.16@108.6,74.298 ; U5.16@108.592,74.211 U5.16@108.6,74.219 ; U5.16@108.592,74.211 U5.16@108.592,74.305 ; U5.16@108.592,74.305 108.589,74.308 U5.16@108.592,74.311 U5.16@108.592,74.305 ; U5.16@108.592,74.305 U5.16@108.6,74.298 ; U5.16@108.6,74.219 108.639,74.258 U5.16@108.6,74.298 ; U5.16@108.6,74.219 U5.16@108.6,74.298
  Bottom Layer w0.25: v1(93.069,70.512) 95.31,70.512 97.198,72.4 v1(107.5,72.4)
SYS_24V: P4.1 R30.2 | length 4.6
  Top Layer w0.25: R30.2@120.9,83.5 120.95,83.55 P4.1@120.95,88.1
SYS_GND: P4.3 R34.2 U18.2 | length 47.1
  Top Layer w0.25: U18.2@113.8,58.47 114.97,58.47 v1(116.8,60.3) ; R34.2@118.05,83.5 118.05,89.2 P4.3@120.95,92.1
  Bottom Layer w0.25: v1(116.8,60.3) 116.8,87.95 P4.3@120.95,92.1
TEMP_SENSOR_C\S\: R15.2 R49.2 U8.9 U10.4 | length 92.8
  Top Layer w0.25: R49.2@5.6,23.75 v1(6.6,23.75) ; v1(64.4,57.65) R15.2@69.2,57.65 69.205,57.645 U10.4@71.225,57.645
  Bottom Layer w0.25: v1(6.6,23.75) 49.7,23.75 55.95,30 U8.9@57.3,30 58.55,31.25 60.5,31.25 61.2,31.95 61.2,42.85 64.4,46.05 v1(64.4,57.65)
UART_RX: P5.3 U14.7 | length 14.3
  Top Layer w0.25: U14.7@108.43,68.7 108.43,69.73 110.25,71.55 P5.3@120.95,71.55
UART_RX_3V3: U8.68 U14.2 | length 109.5
  Top Layer w0.25: U8.68@11.58,45.24 12.84,46.5 54.05,46.5 56.6,43.95 74,43.95 81.55,51.5 100,51.5 102.75,54.25 102.75,57.35 105.65,60.25 107.65,60.25 108.43,61.03 U14.2@108.43,63.25
UART_TX: P5.2 U14.6 | length 13.5
  Top Layer w0.25: U14.6@109.7,68.7 109.7,69.85 110.6,70.75 112.1,70.75 113.3,69.55 120.45,69.55 P5.2@120.95,69.05
UART_TX_3V3: U8.67 U14.3 | length 116.6
  Top Layer w0.25: U8.67@9.04,45.24 10.28,44 51.55,44 56.65,38.9 60.4,38.9 64.15,42.65 74.55,42.65 81.9,50 99.6,50 103.5,53.9 103.5,57.15 105.85,59.5 108.2,59.5 109.7,61 U14.3@109.7,63.25
pads on no net: H1.0 P1.0 P1.4 P1.5 P1.9 P2.0 P3.0 P3.5 P3.14 P4.2 RN4.4 RN4.5 S1.0 S1.3 U1.9 U2.8 U2.9 U5.8 U5.9 U8.3 U8.4 U8.5 U8.6 U8.13 U8.19 U8.20 U8.21 U8.22 U8.23 U8.24 U8.25 U8.27 U8.28 U8.29 U8.30 U8.31 U8.32 U8.33 U8.34 U8.35 U8.36 U8.37 U8.38 U8.39 U8.40 U8.41 U8.42 U8.43 U8.44 U8.45 U8.46 U8.49 U8.50 U8.53 U8.54 U8.55 U8.56 U8.57 U8.59 U8.60 U8.62 U8.63 U8.64 U8.65 U8.66 U8.74 U8.78 U8.79 U8.80 U8.81 U8.82 U8.83 U8.84 U8.85 U8.86 U8.88 U8.J1_3 U9.4 U9.7 U9.9 U9.10 U9.11 U12.4 U12.5 U12.11 U12.14 U15.7 U15.19 U15.22 U15.29 U16.5

## Polygon pours and split planes (outlines as drawn)
AGND on Layer 1 "Layer 1-AGND" (solid, pour order 7): 104.8,0 104.8,51.35 113,59.55 113,64.2 110.4,66.8 89.1,66.8 88.3,67.6 88.3,76.85 85.7,79.45 18.8,79.45 12.35,85.9 12.35,98.078 9.278,101.15 0,101.15 0,111.85 123.75,111.85 123.75,0
DGND on Layer 1 "Layer 1-DGND" (solid, pour order 6): 111.6,63.6 111.6,60.15 103.15,51.7 103.15,0 7.75,0 7.75,5.5 5.6,7.65 0,7.65 0,99.3 7.75,99.3 10.05,97 10.05,85.25 18,77.3 84.75,77.3 86.35,75.7 86.35,66.85 88.55,64.65 110.55,64.65
+5VO on Layer 2 "Layer 2-5VO" (solid, pour order 27): 104.8,0 104.8,51.35 112.35,58.9 112.35,64.1 109.65,66.8 89.1,66.8 88.3,67.6 88.3,76.85 85.7,79.45 18.8,79.45 12.35,85.9 12.35,98.05 9.25,101.15 0,101.15 0,111.85 123.75,111.85 123.75,0
+5VD on Layer 2 "Layer 2-5VD" (solid, pour order 9): 103.1,38.85 86.35,38.85 85.45,39.75 64.4,39.75 0,39.75 0,0 103.1,0
3V3 on Layer 2 "Layer 2-3V3" (solid, pour order 8): 103.1,51.65 111.2,59.75 111.2,63.3 109.3,65.2 88,65.2 86.3,66.9 86.3,75.75 84.8,77.25 18.1,77.25 10.1,85.25 10.1,96.95 7.75,99.3 0,99.3 0,78 0,40.15 85.65,40.15 86.55,39.25 103.1,39.25
AGND on Top Layer "Top Layer-AGND" (solid, pour order 5): 104.8,0 104.8,51.35 113,59.55 113,64.2 110.4,66.8 89.1,66.8 88.3,67.6 88.3,76.9 85.75,79.45 18.8,79.45 12.35,85.9 12.35,98.025 9.225,101.15 0,101.15 0,111.85 123.75,111.85 123.75,0
DGND on Top Layer "Top Layer-DGND" (solid, pour order 4): 111.6,63.6 111.6,60.15 103.15,51.7 103.15,0 7.75,0 7.75,5.5 5.6,7.65 0,7.65 0,99.3 7.75,99.3 10.1,96.95 10.1,85.25 18.05,77.3 84.75,77.3 86.3,75.75 86.3,66.9 88,65.2 110,65.2
AGND on Bottom Layer "Bottom Layer-AGND" (solid, pour order 29): 104.8,0 104.8,51.35 113,59.55 113,64.2 110.4,66.8 89.1,66.8 88.3,67.6 88.3,76.85 85.7,79.45 18.8,79.45 12.35,85.9 12.35,98.05 9.25,101.15 0,101.15 0,111.85 123.75,111.85 123.75,0
DGND on Bottom Layer "Bottom Layer-DGND" (solid, pour order 28): 111.6,63.6 111.6,60.15 103.15,51.7 103.15,0 7.75,0 7.75,5.5 5.6,7.65 0,7.65 0,99.3 7.75,99.3 10.1,96.95 10.1,85.25 18.05,77.3 84.75,77.3 86.4,75.65 86.4,66.8 88,65.2 110,65.2

## Other copper
Top Layer:
  region net NetC27_1: 75.55,8.35 75.55,13.15 81.05,13.15 82.1,12.1 82.1,8.35
  region net NetQ1_5: 71.35,5.7 71.35,6.65 71.35,17.55 68.55,20.35 67.15,20.35 67.15,22.8 69.75,22.8 73.9,18.65 73.9,7.15 74.55,6.5 78.55,6.5 78.55,2.7 74.35,2.7
  region net +5VA: 113.3,38.9 113.3,31.5 115.15,29.65 119.35,29.65 120.3,30.6 120.3,33.2 118.7,34.8 118.7,38.9
  pour cut-out: 76.35,34.55 76.35,30.1 76.95,29.5 81.95,29.5 82.6,30.15 82.6,34.45 81.95,35.1 76.9,35.1
  region net +5VO: 87.969,89.1 87.969,86.95 90.369,86.95 90.369,89.1
  region net +5VO: 84.419,89.1 84.419,86.95 86.819,86.95 86.819,89.1
  region net +5VO: 113.3,51.25 113.3,54.2 118.7,54.2 118.7,51.25
  region net +5VO: 34.45,93.775 34.45,91.625 41.8,91.625 41.8,93.775
  region net 3V3: 81.15,41.15 85.65,41.15 86.7,40.1 91.5,40.1 91.5,43.4 86.7,43.4 85.65,42.35 81.15,42.35
  region net NetL2_1: 75.7,34 75.5,33.8 75.5,33.25 75.05,32.8 74.5,32.8 74.5,30.55 77.75,30.55 77.75,34
  region net +12: 99,20.65 96.386,20.65 95.786,20.1 75.5,20.1 73.55,22.05 73.55,29.85 74.3,29.85 74.3,29.3 74.85,28.75 84.35,28.75 85.25,27.85 85.25,26 86,25.25 99,25.25 99.9,24.35 99.9,21.55
  region net +12: 73.55,33 73.55,37.35 74.75,37.35 74.75,34 74.3,33.55 74.3,33
  region net +5VD: 81.85,37.95 82.1,38.2 82.1,39.65 82.45,40 85.75,40 85.75,38.45 85.2,37.9 85.2,30.25 84.9,29.95 81.55,29.95 81.25,30.25 81.25,33.95 80.1,35.1 78.35,35.1 78.35,37.95
Layer 1:
  pour cut-out: 76.35,34.55 76.35,30.1 76.95,29.5 81.95,29.5 82.6,30.15 82.6,34.4 81.9,35.1 76.9,35.1
Layer 2:
  pour cut-out: 76.35,34.55 76.35,30.1 76.95,29.5 81.95,29.5 82.6,30.15 82.6,34.45 81.95,35.1 76.9,35.1
Bottom Layer:
  pour cut-out: 76.35,34.55 76.35,30.1 76.95,29.5 81.95,29.5 82.6,30.15 82.6,34.5 82,35.1 76.9,35.1
  region net +12: 74.75,37.45 74.75,35.675 75.7,34.725 75.7,24.2 74.85,23.35 73.45,23.35 73.45,29.75 74.45,30.75 74.45,32.15 73.45,33.15 73.45,37.45

## Silkscreen, mask and mechanical layers (free items; w line width, h text height)
Top Overlay:
  lines w0.2: 78.7,47.7 78.2,48.2 ; 78.7,48.7 78.2,48.2 ; 81,51 81.5,51.5 ; 81.5,47.7 81.5,48.2 ; 81.95,48.2 81.5,48.2 ; 82,51 81.5,51.5 ; 78.2,48.2 81.5,48.2 ; 81.5,48.2 81.5,51.5 ; 95.35,0.6 95.35,4.75 107,4.75 107,0.6 95.35,0.6
  text "#8" at 1.9,108.55 h1.5
  text "#8" at 115.65,99.8 h1.5
  text "GND" at 112.85,91.45 h2.25
  text "+24V" at 112.65,86.85 h2.25
  text "GND" at 2.9,75.94 h1.9
  text "CTS" at 2.9,73.39 h1.9
  text "RX" at 113,71 h2.25
  text "3V3" at 2.9,70.84 h1.9
  text "TX" at 113,68.5 h2.25
  text "RX" at 2.9,68.29 h1.9
  text "GND" at 113,66 h2.25
  text "TX" at 2.9,65.74 h1.9
  text "RTS" at 2.9,63.19 h1.9
  text "X" at 81.95,51.45 h1.27
  text "GND" at 2.9,50.5 h1.9
  text "Y" at 77.25,48.45 h1.27
  text "MISO" at 2.9,47.94 h1.9
  text "MOSI" at 2.9,45.38 h1.9
  text "CLK" at 2.9,42.82 h1.9
  text "C" at 92.75,40.3 h3.5
  text "3V3" at 2.9,40.26 h1.9
  text "CWRUbotix / 2019-20" at 91.55,36.9 h2
  text "IMU" at 0.2,32.4 h1.9
  text "DESIGN TEAM: /   - Adam Cordingley /   - Andrea Norris /   - Jason Paximadas /   - Ben Scholar /   - Waqas Qureshi /  / www.cwrubotix.org" at 27.4,27.6 h2
  text "TEMP" at 0.2,26.15 h1.9
  text "ADC 1" at 0.2,19.85 h1.9
  text "ADC 2" at 0.2,13.5 h1.9
  text "0V" at 90.65,11.6 h2.25
  text "+12V" at 84.7,11.55 h2.25
  text "#8" at 3.15,7.4 h1.5
  text "#8" at 113.35,1.25 h1.5
  text "POWER OK" at 95.7,0.95 h2
Mechanical 1:
  lines w0.1: 123.75,108.35 ccw(c120.25,108.35) 120.25,111.85 3.5,111.85 ccw(c3.5,108.35) 0,108.35 0,3.5 ccw(c3.5,3.5) 3.5,0 27,0 27,20.4 cw(c28.2,20.4) 28.2,21.6 45.75,21.6 cw(c45.75,20.4) 46.95,20.4 46.95,0 120.25,0 ccw(c120.25,3.5) 123.75,3.5 123.75,108.362

## Dimensions
0,0 to 0,111.8 on Mechanical 1
0,0 to 123.75,-0.05 on Mechanical 1

## Text inside footprints (layer, text, board x,y; h text height)
U8: Top Overlay "2" at 12.215,17.935 h1.27 r180; Top Overlay "2" at 60.475,17.935 h1.27 r180; Top Overlay "1" at 57.3,17.935 h1.27 r180; Top Overlay "1" at 9.04,17.935 h1.27 r180; Top Overlay "P8" at 59.84,79.53 h1.27 r180; Top Overlay "P9" at 12.215,78.895 h1.27 r180